# KiCad board Saxplayer.kicad_pcb
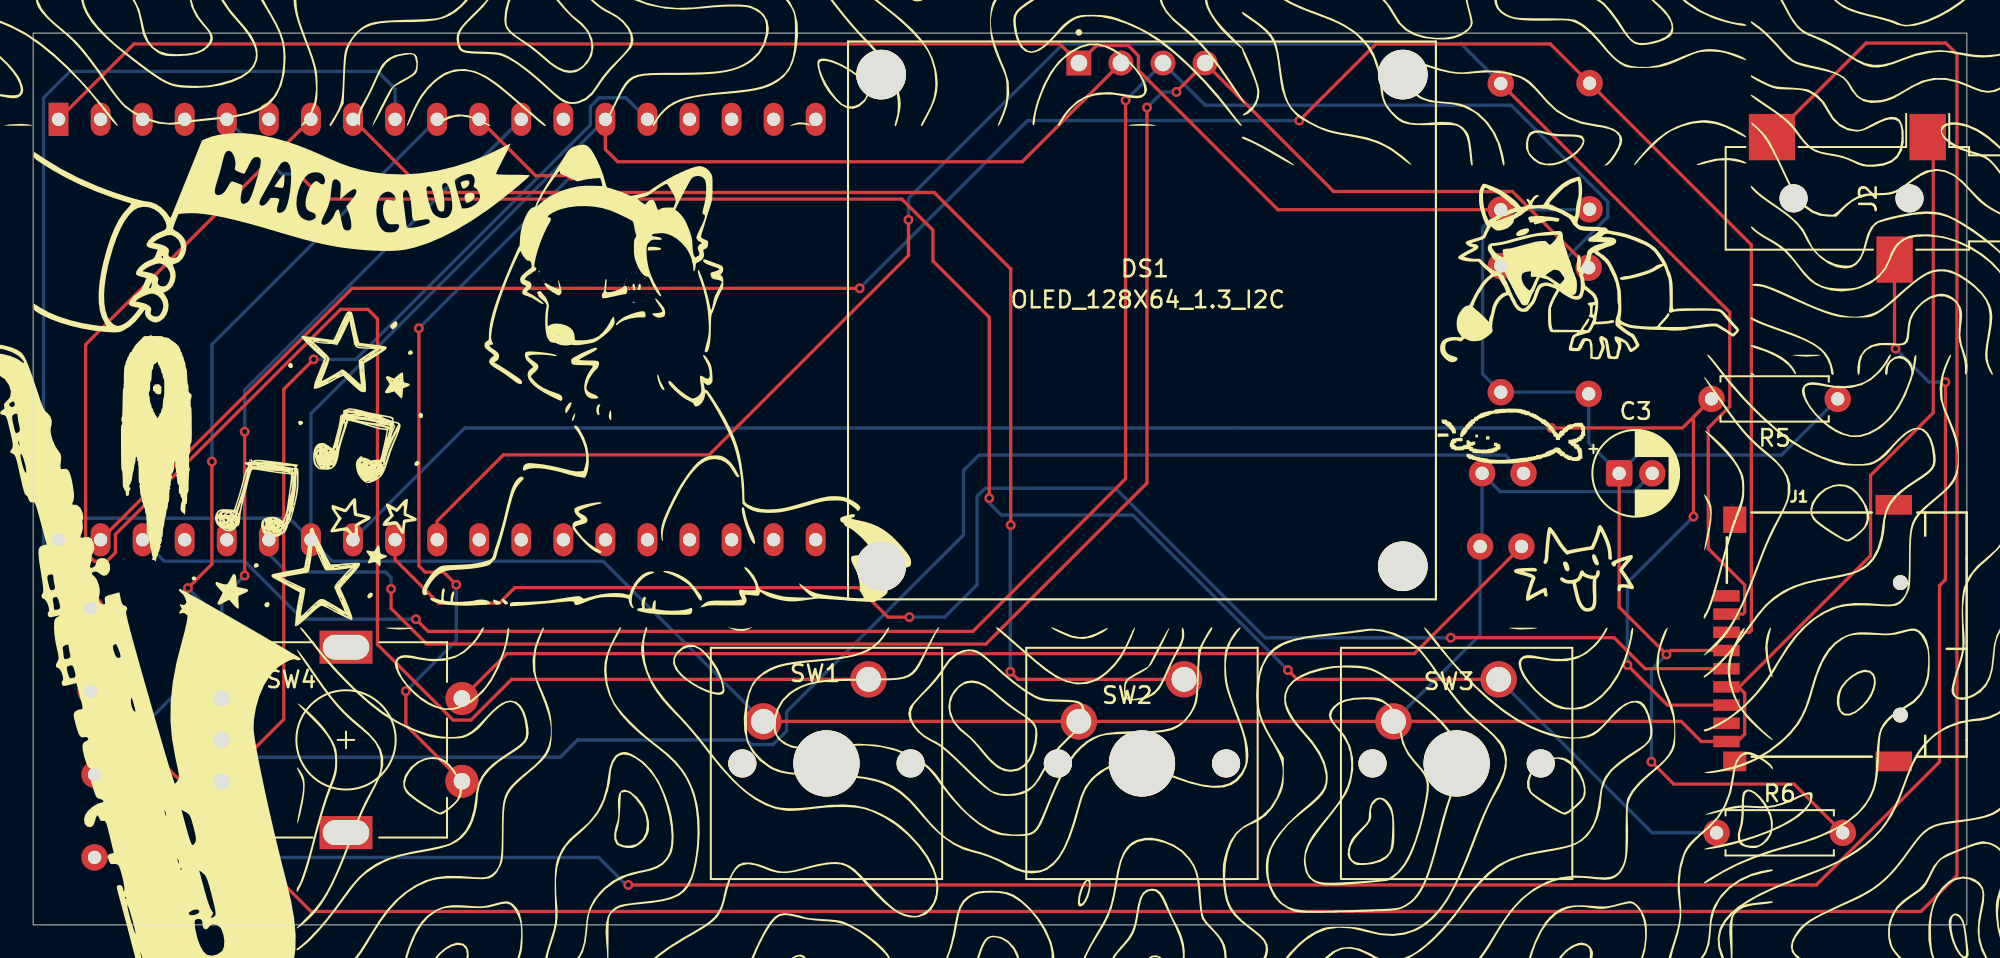
[diagram p0: board, top side]
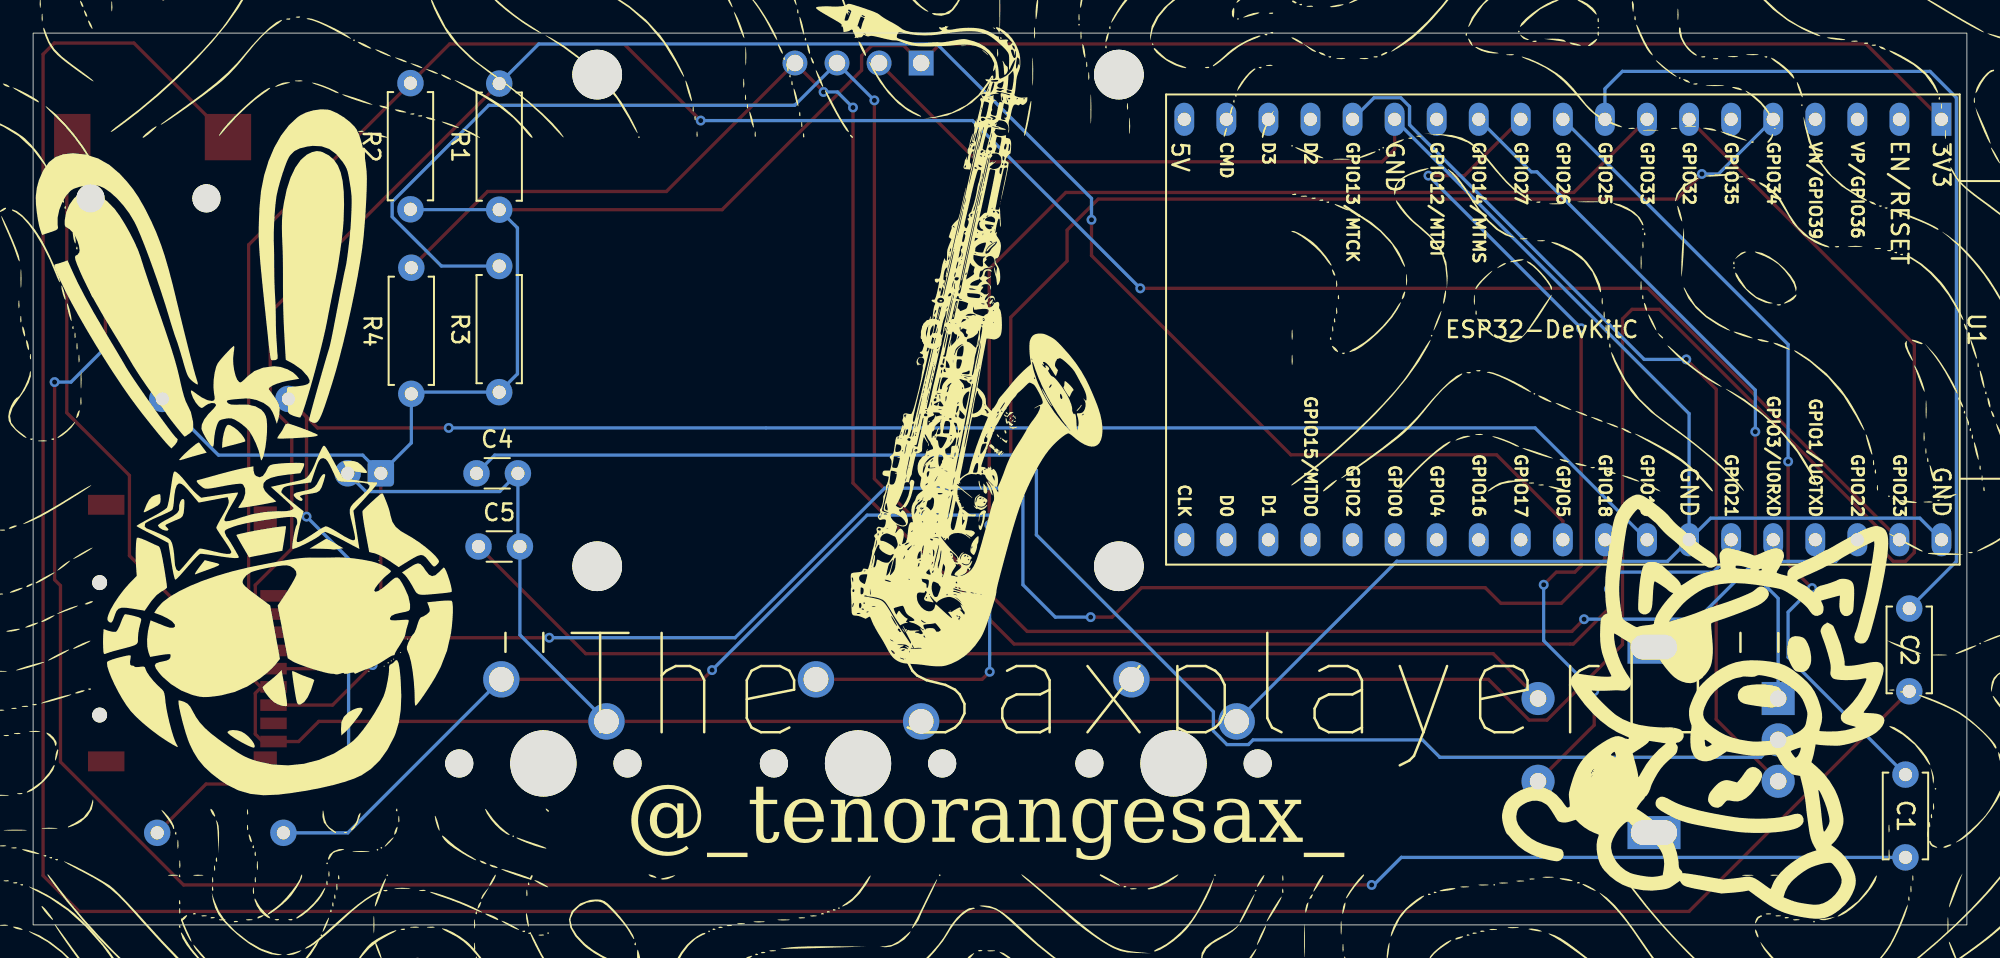
[diagram p1: board, bottom side, seen from below]

Outline 116.76 x 53.87 mm; copper layers: Top, Bottom. Coordinates in mm from the lower left corner of the outline.
Outline path: rectangle 0,53.87 116.76,0

## Placement (name value [footprint] x y rotation side)
C1  10µF  [C_Disc_D5.0mm_W2.5mm_P5.00mm]  3.71 4.08 90 bottom
C2  10µF  [C_Disc_D5.0mm_W2.5mm_P5.00mm]  3.48 14.11 90 bottom
C3  10µF  [CP_Radial_D5.0mm_P2.00mm]  95.77 27.28 0 top
C4  0.1uF  [C_Disc_D3.0mm_W1.6mm_P2.50mm]  89.99 27.28 180 bottom
C5  0.1uF  [C_Disc_D3.0mm_W1.6mm_P2.50mm]  89.87 22.86 180 bottom
DS1  OLED_128X64_1.3_I2C  [LCD_OLED_128X64_1.3_I2C]  66.95 36.52 0 top
G***  -  [LOGO]  38.46 33.53 0 top
G***#2  -  [LOGO]  145.44 9.4 270 top
G***#3  -  [LOGO]  28.62 73.32 90 top
G***#4  -  [LOGO]  60.48 -7.09 270 top
G***#5  -  [LOGO]  3.64 14.44 15 top
G***#6  -  [LOGO]  93.9 39.42 0 top
G***#7  -  [LOGO]  15.04 41.86 0 top
G***#8  -  [LOGO]  93.34 21.12 0 top
G***#9  -  [LOGO]  7.63 28.6 0 top
G***#10  -  [LOGO]  15.39 27.65 0 top
G***#11  -  [LOGO]  128.78 37.19 180 top
G***#12  -  [LOGO]  78.41 90.45 180 top
G***#13  -  [LOGO]  89.33 29.87 0 top
G***#14  -  [LOGO]  120.73 1.49 180 bottom
G***#15  -  [LOGO]  60.83 35.64 180 bottom
G***#16  -  [LOGO]  13.63 14.61 190 bottom
G***#17  -  [LOGO]  5.69 88.62 180 bottom
G***#18  -  [LOGO]  76.96 109.98 180 bottom
G***#19  -  [LOGO]  -30.35 -36.38 180 bottom
G***#20  -  [LOGO]  103.82 27.8 170 bottom
G***#21  -  [LOGO]  53.83 -32.05 270 bottom
J1  Micro_SD_Card  [J_SD_Card-micro_socket_A]  109.27 16.66 270 top
J2  AudioJack3  [Jack_3.5mm_CUI_SJ-3523-SMT_Horizontal]  110.8 43.89 270 top
R1  10kΩ  [R_Axial_DIN0207_L6.3mm_D2.5mm_P7.62mm_Horizontal]  88.62 43.21 90 bottom
R2  10kΩ  [R_Axial_DIN0207_L6.3mm_D2.5mm_P7.62mm_Horizontal]  93.98 43.23 90 bottom
R3  4.7kΩ  [R_Axial_DIN0207_L6.3mm_D2.5mm_P7.62mm_Horizontal]  88.62 32.18 90 bottom
R4  4.7kΩ  [R_Axial_DIN0207_L6.3mm_D2.5mm_P7.62mm_Horizontal]  93.93 32.08 90 bottom
R5  10kΩ  [R_Axial_DIN0207_L6.3mm_D2.5mm_P7.62mm_Horizontal]  108.97 31.78 180 top
R6  10kΩ  [R_Axial_DIN0207_L6.3mm_D2.5mm_P7.62mm_Horizontal]  101.65 5.56 0 top
SW1  SW_Push  [SW_Cherry_MX_1.00u_PCB]  50.44 14.83 0 top
SW2  SW_Push  [SW_Cherry_MX_1.00u_PCB]  69.49 14.83 0 top
SW3  SW_Push  [SW_Cherry_MX_1.00u_PCB]  88.49 14.83 0 top
SW4  RotaryEncoder_Switch  [RotaryEncoder_Alps_EC11E-Switch_Vertical_H20mm]  11.39 13.68 0 top
U1  -  [ESP32-DevKitC]  1.53 48.67 270 bottom

## Library data of the parts
C1-C5 = -: Description: Unpolarized capacitor; ki_fp_filters: C_*
DS1 = -: MF: UNIVERSAL-SOLDER Electronics Ltd; Description_1: Non-Touch Graphic LCD Display Module Transmissive White OLED, Monochrome I2C 1.3 (33.02mm) 128 x 64; Package: None; Price: None; Check_prices: https://www.snapeda.com/parts/OLED%20128x64%201.3%22%20I2C/UNIVERSAL-SOLDER+Electronics+Ltd/view-part/?ref=eda; STANDARD: Manufacturer Recommendations; PARTREV: NA; SnapEDA_Link: https://www.snapeda.com/parts/OLED%20128x64%201.3%22%20I2C/UNIVERSAL-SOLDER+Electronics+Ltd/view-part/?ref=snap; MP: OLED 128x64 1.3&quot; I2C; Availability: Not in stock; MANUFACTURER: UNIVERSAL-SOLDER Electronics Ltd
J1 = -: Datasheet: https://www.we-online.com/components/products/datasheet/693072010801.pdf; Description: Micro SD Card Socket; ki_fp_filters: microSD*
J2 = -: Description: Audio Jack, 3 Poles (Stereo / TRS); ki_fp_filters: Jack*
R1-R6 = -: Description: Resistor; ki_fp_filters: R_*
SW1-SW3 = -: Description: Push button switch, generic, two pins
SW4 = -: Description: Rotary encoder, dual channel, incremental quadrate outputs, with switch; ki_fp_filters: RotaryEncoder*Switch*
U1 = -: Datasheet: https://docs.espressif.com/projects/esp-idf/zh_CN/latest/esp32/hw-reference/esp32/get-started-devkitc.html; Description: Development Kit

## Footprints (pads in the part's own frame, mm; a bottom-side part is the same pattern mirrored in y, then rotated)
C_Disc_D3.0mm_W1.6mm_P2.50mm
  round 1.6 hole 0.8: 1(0,0) 2(2.5,0)
C_Disc_D5.0mm_W2.5mm_P5.00mm
  round 1.6 hole 0.8: 1(0,0) 2(5,0)
CP_Radial_D5.0mm_P2.00mm
  rrect 1.6x1.6 hole 0.8: 1(0,0)
  round 1.6 hole 0.8: 2(2,0)
ESP32-DevKitC
  rect 2x1.2 hole 0.8: 1(0,0)
  oval 2x1.2 hole 0.8: 2(0,-2.54) 3(0,-5.08) 4(0,-7.62) 5(0,-10.16) 6(0,-12.7) 7(0,-15.24) 8(0,-17.78) 9(0,-20.32) 10(0,-22.86) 11(0,-25.4) 12(0,-27.94) 13(0,-30.48) 14(0,-33.02) 15(0,-35.56) 16(0,-38.1) 17(0,-40.64) 18(0,-43.18) 19(0,-45.72) 20(25.396,-45.717) 21(25.396,-43.177) 22(25.4,-40.64) 23(25.4,-38.1) 24(25.4,-35.56) 25(25.4,-33.02) 26(25.4,-30.48) 27(25.4,-27.94) 28(25.4,-25.4) 29(25.4,-22.86) 30(25.4,-20.32) 31(25.4,-17.78) 32(25.4,-15.24) 33(25.4,-12.7) 34(25.4,-10.16) 35(25.4,-7.62) 36(25.4,-5.08) 37(25.4,-2.54) 38(25.4,0)
J_SD_Card-micro_socket_A
  round 0.9 hole 0.9 unplated: (-4.015,3.478) (3.985,3.478)
  rect 0.7x1.6 smd: 1(-3.215,-7.022) 2(-2.115,-7.022) 3(-1.015,-7.022) 4(0.085,-7.022) 5(1.185,-7.022) 6(2.285,-7.022) 7(3.385,-7.022) 8(4.485,-7.022) 9(5.585,-7.022)
  rect 1.2x2.2 smd: SH(-8.715,3.078) SH(6.785,3.078)
  rect 1.6x1.4 smd: SH(-7.815,-6.522)
  rect 1.2x1.4 smd: SH(6.785,-6.522)
Jack_3.5mm_CUI_SJ-3523-SMT_Horizontal
  round 1.7 hole 1.7 unplated: (0,2.5) (0,-4.5)
  rect 2.8x2.2 smd: R(3.7,1.6) S(-3.7,3.6)
  rect 2.8x2.8 smd: T(-3.7,-5.8)
LCD_OLED_128X64_1.3_I2C
  round 3 hole 3 unplated: (-15.75,14.85) (-15.75,-14.85) (15.75,14.85) (15.75,-14.85)
  rect 1.508x1.508 hole 1: 1(-3.81,15.55)
  round 1.508 hole 1: 2(-1.27,15.55) 3(1.27,15.55) 4(3.81,15.55)
R_Axial_DIN0207_L6.3mm_D2.5mm_P7.62mm_Horizontal
  round 1.6 hole 0.8: 1(0,0) 2(7.62,0)
RotaryEncoder_Alps_EC11E-Switch_Vertical_H20mm
  rect 2x2 hole 1: A(0,0)
  round 2 hole 1: B(0,-5) C(0,-2.5) S1(14.5,-5) S2(14.5,0)
  rect 3.2x2 hole 2.8x1.5: MP(7.5,3.1) MP(7.5,-8.1)
SW_Cherry_MX_1.00u_PCB
  round 1.7 hole 1.7 unplated: (-7.62,-5.08) (2.54,-5.08)
  round 4 hole 4 unplated: (-2.54,-5.08)
  round 2.2 hole 1.5: 1(0,0) 2(-6.35,-2.54)

## Nets
3V3: C3.1 DS1.1 J1.4 R1.1 R2.1 R3.1 R4.1 R5.1 R6.2 U1.1
GND: C3.2 C4.2 C5.2 DS1.2 J1.6 J1.9 J2.S SW1.2 SW2.2 SW3.2 U1.14 U1.32 U1.38
GPIO5: J1.2 R1.2 U1.29
GPIO13: SW4.B U1.15
GPIO14: SW4.A U1.12
GPIO18: J1.5 U1.30
GPIO19: J1.7 R5.2 U1.31
GPIO21: DS1.4 R4.2 U1.33
GPIO22: DS1.3 R3.2 U1.36
GPIO23: J1.3 R2.2 U1.37
GPIO25: C2.2 U1.9
GPIO26: C1.2 U1.10
GPIO27: SW4.S1 U1.11
GPIO32: SW1.1 U1.7
GPIO33: SW2.1 U1.8
GPIO34: R6.1 SW3.1 U1.5
Net-(C1-Pad1): C1.1 J2.R
Net-(C2-Pad1): C2.1 J2.T
Net-(C4-Pad1): C4.1 SW4.C
Net-(C5-Pad1): C5.1 SW4.S2

Pads without a net: J1 1 8 SH; SW4 MP; U1 2 3 4 6 13 16 17 18 19 20 21 22 23 24 25 26 27 28 34 35

## Via types
v1: diameter 0.6, hole 0.3, Top to Bottom, 32 vias

## Routing (per net, layer and track width the routed paths; a pad name or vN(x,y) marks a point on that pad's centre or on a via; arc(x,y) is an arc through that point)
3V3: length 173.8
  Top w0.2: v1(97.71,9.86) 99.06,8.51 106.32,8.51 R6.2 ; R1.1 75.16,43.21 66.74,51.63 66.74,52.5 66.12,53.12 64.2,53.12 DS1.1 61.99,53.22 6.09,53.22 U1.1 ; J1.4 98.87,16.58 v1(98.63,16.33) 95.77,19.19 C3.1
  Bottom w0.2: R5.1 105.57,28.38 96.87,28.38 C3.1 93.93,29.12 R4.1 93.83,32.18 R3.1 87.52,33.28 87.52,42.1 R1.1 93.95,43.21 R2.1 ; v1(97.71,9.86) 97.71,15.42 v1(98.63,16.33)
GND: length 247.7
  Top w0.2: DS1.2 59.72,46.1 35.31,46.1 34.55,46.85 U1.14 ; SW1.2 99.51,12.29 100.73,11.08 J1.9 102.9,11.08 103.35,11.53 103.35,13.99 102.97,14.38 J1.6 103.02,14.38 110.95,22.3 110.95,27.15 114.73,30.94 114.73,47.26 J2.S
  Bottom w0.2: SW3.2 87.37,17.52 C5.2 87.49,22.98 C4.2 88.59,26.18 96.67,26.18 C3.2 ; U1.32 18.08,21.97 34.42,21.97 SW1.2 ; U1.32 15.47,24.57 2.84,24.57 U1.38 ; U1.32 16.77,30.89 U1.14
GPIO5: length 120.6
  Top w0.2: J1.2 103.25,18.78 103.35,18.88 103.35,20.53 101.15,22.73 101.15,30.02 102.45,31.32 102.45,37 R1.2 ; U1.29 24.39,24.39 28.4,28.4 40.82,28.4 52.86,40.44 v1(52.86,42.6)
  Bottom w0.2: 52.86,42.55 v1(52.86,42.6) 52.86,43.89 62.19,53.22 86.23,53.22 R1.2
GPIO13: length 55.7
  Top w0.2: SW4.B 15.14,12.42 15.14,32.36 v1(16.94,34.16)
  Bottom w0.2: v1(16.94,34.16) 19.48,34.16 33.65,48.33 33.65,49.44 34.18,49.97 35.79,49.97 U1.15
GPIO14: length 42.7
  Top w0.2: v1(12.78,21.11) v1(12.78,29.79)
  Bottom w0.2: v1(12.78,29.79) 12.78,32.31 25.96,45.49 26.3,45.49 U1.12 ; SW4.A 11.39,19.72 v1(12.78,21.11)
GPIO18: length 94.7
  Top w0.2: U1.30 21.85,22.07 24.49,19.43 28.14,19.43 29.08,20.37 49.83,20.37 51.61,18.59 v1(52.91,18.59) ; v1(85.6,17.35) 95.46,17.35 97.34,15.48 J1.5
  Bottom w0.2: v1(85.6,17.35) 74.38,17.35 65.35,26.38 57.49,26.38 57,25.89 57,20.55 55.04,18.59 v1(52.91,18.59)
GPIO19: length 110.7
  Top w0.2: v1(100.25,24.66) 100.25,30.68 R5.2 99.59,30.02 v1(91.67,30.02) ; v1(96.27,15.7) 98.69,13.28 J1.7
  Bottom w0.2: v1(96.27,15.7) 96.27,20.68 v1(100.25,24.66) ; U1.31 26.07,30.02 v1(91.67,30.02)
GPIO21: length 116.9
  Top w0.2: R4.2 89.32,44.31 78.52,44.31 DS1.4 69.04,50.34 v1(69.04,50.32) ; v1(21.62,20.29) 21.62,19.11 23.76,16.97 57.53,16.97 67.26,26.7 v1(67.26,49.38)
  Bottom w0.2: v1(67.26,49.38) 68.2,50.32 v1(69.04,50.32) ; v1(21.62,20.29) 21.62,20.98 21.29,21.31 15.32,21.31 14.23,22.39 U1.33
GPIO22: length 130.4
  Top w0.2: v1(65.97,49.81) 65.97,26.95 56.74,17.73 23.85,17.73 v1(23.11,18.47)
  Bottom w0.2: R3.2 92.11,39.8 95.08,42.77 95.08,43.69 89.25,49.52 70.78,49.52 DS1.3 v1(65.97,49.81) ; U1.36 7.92,21.97 12.77,21.97 16.27,18.47 v1(23.11,18.47)
GPIO23: length 141.9
  Top w0.2: J1.3 103.63,17.68 103.75,17.8 103.75,41.08 R2.2 91.61,53.22 81.08,53.22 v1(76.45,48.59) ; U1.37 19.26,38.46 v1(49.91,38.46)
  Bottom w0.2: v1(76.45,48.59) 60.05,48.59 v1(49.91,38.46)
GPIO25: length 56.2
  Bottom w0.2: C2.2 0.63,21.96 0.63,49.97 2.23,51.56 20.8,51.56 21.85,50.51 U1.9
GPIO26: length 49.4
  Top w0.2: v1(10.79,27.99) 10.79,21.79 v1(9.35,20.35)
  Bottom w0.2: C1.2 10.79,16.16 10.79,18.9 v1(9.35,20.35) ; U1.10 10.79,35.07 v1(10.79,27.99)
GPIO27: length 51.7
  Top w0.2: v1(23.29,36.04) 23.29,21.69 23.67,21.31 24.79,21.31 v1(25.55,20.55) ; v1(32.51,45.26) 30.34,45.26 U1.11 ; SW4.S1 22.5,12.07 v1(22.5,14.12)
  Bottom w0.2: v1(22.5,14.12) 25.55,17.17 v1(25.55,20.55) ; v1(23.29,36.04) v1(32.51,45.26)
GPIO32: length 109.1
  Top w0.2: SW1.1 28.89,14.83 26.43,12.38 25.35,12.38 20.79,16.94 20.79,36.61 20.22,37.19 18.56,37.19 4.98,23.6 4.98,22.49 4.45,21.97 3.7,21.97 3.17,22.49 3.17,35.07 U1.7
GPIO33: length 78.5
  Top w0.2: U1.8 23.73,44.25 54.41,44.25 59.03,39.62 v1(59.03,24.16) ; v1(59,15.29) 59.46,14.83 SW2.1
  Bottom w0.2: v1(59.03,24.16) 59,24.13 v1(59,15.29)
GPIO34: length 115.5
  Top w0.2: v1(16,45.36) 17.52,43.85 52.46,43.85 54.33,41.97 54.33,40.11 57.73,36.7 v1(57.73,25.78) ; SW3.1 76.33,14.83 v1(75.77,15.39)
  Bottom w0.2: U1.5 15,45.36 v1(16,45.36) ; v1(75.77,15.39) 66.4,24.76 58.46,24.76 57.73,25.48 v1(57.73,25.78) ; R6.1 97.76,5.56 SW3.1
Net-(C1-Pad1): length 147.5
  Top w0.2: J2.R 112.4,35.03 112.46,34.97 v1(112.46,34.81) ; 35.81,2.41 v1(35.94,2.41) 107.68,2.41 115.11,9.85 115.11,20.5 115.47,20.85 v1(115.47,32.79)
  Bottom w0.2: C1.1 34.15,4.08 35.81,2.41 ; v1(115.47,32.79) 114.48,32.79 v1(112.46,34.81)
Net-(C2-Pad1): length 182.5
  Top w0.2: J2.T 110.68,53.27 115.49,53.27 116.16,52.59 116.16,2.98 114,0.81 16.78,0.81 C2.1
Net-(C4-Pad1): length 90.2
  Bottom w0.2: SW4.C 12.44,10.13 31.83,10.13 32.88,11.18 43.1,11.18 43.38,10.89 44.67,10.89 45.5,11.71 45.5,12.87 56.18,23.56 56.18,27.46 57.11,28.38 88.89,28.38 C4.1
Net-(C5-Pad1): length 67.8
  Top w0.2: C5.1 83.39,16.38 28.6,16.38 SW4.S2

## Text on the board
B.Silkscreen: @_tenorangesax_ | {dblquote}The Saxplayer™{dblquote}
